# KiCad board NNCpro.kicad_pcb (continued)
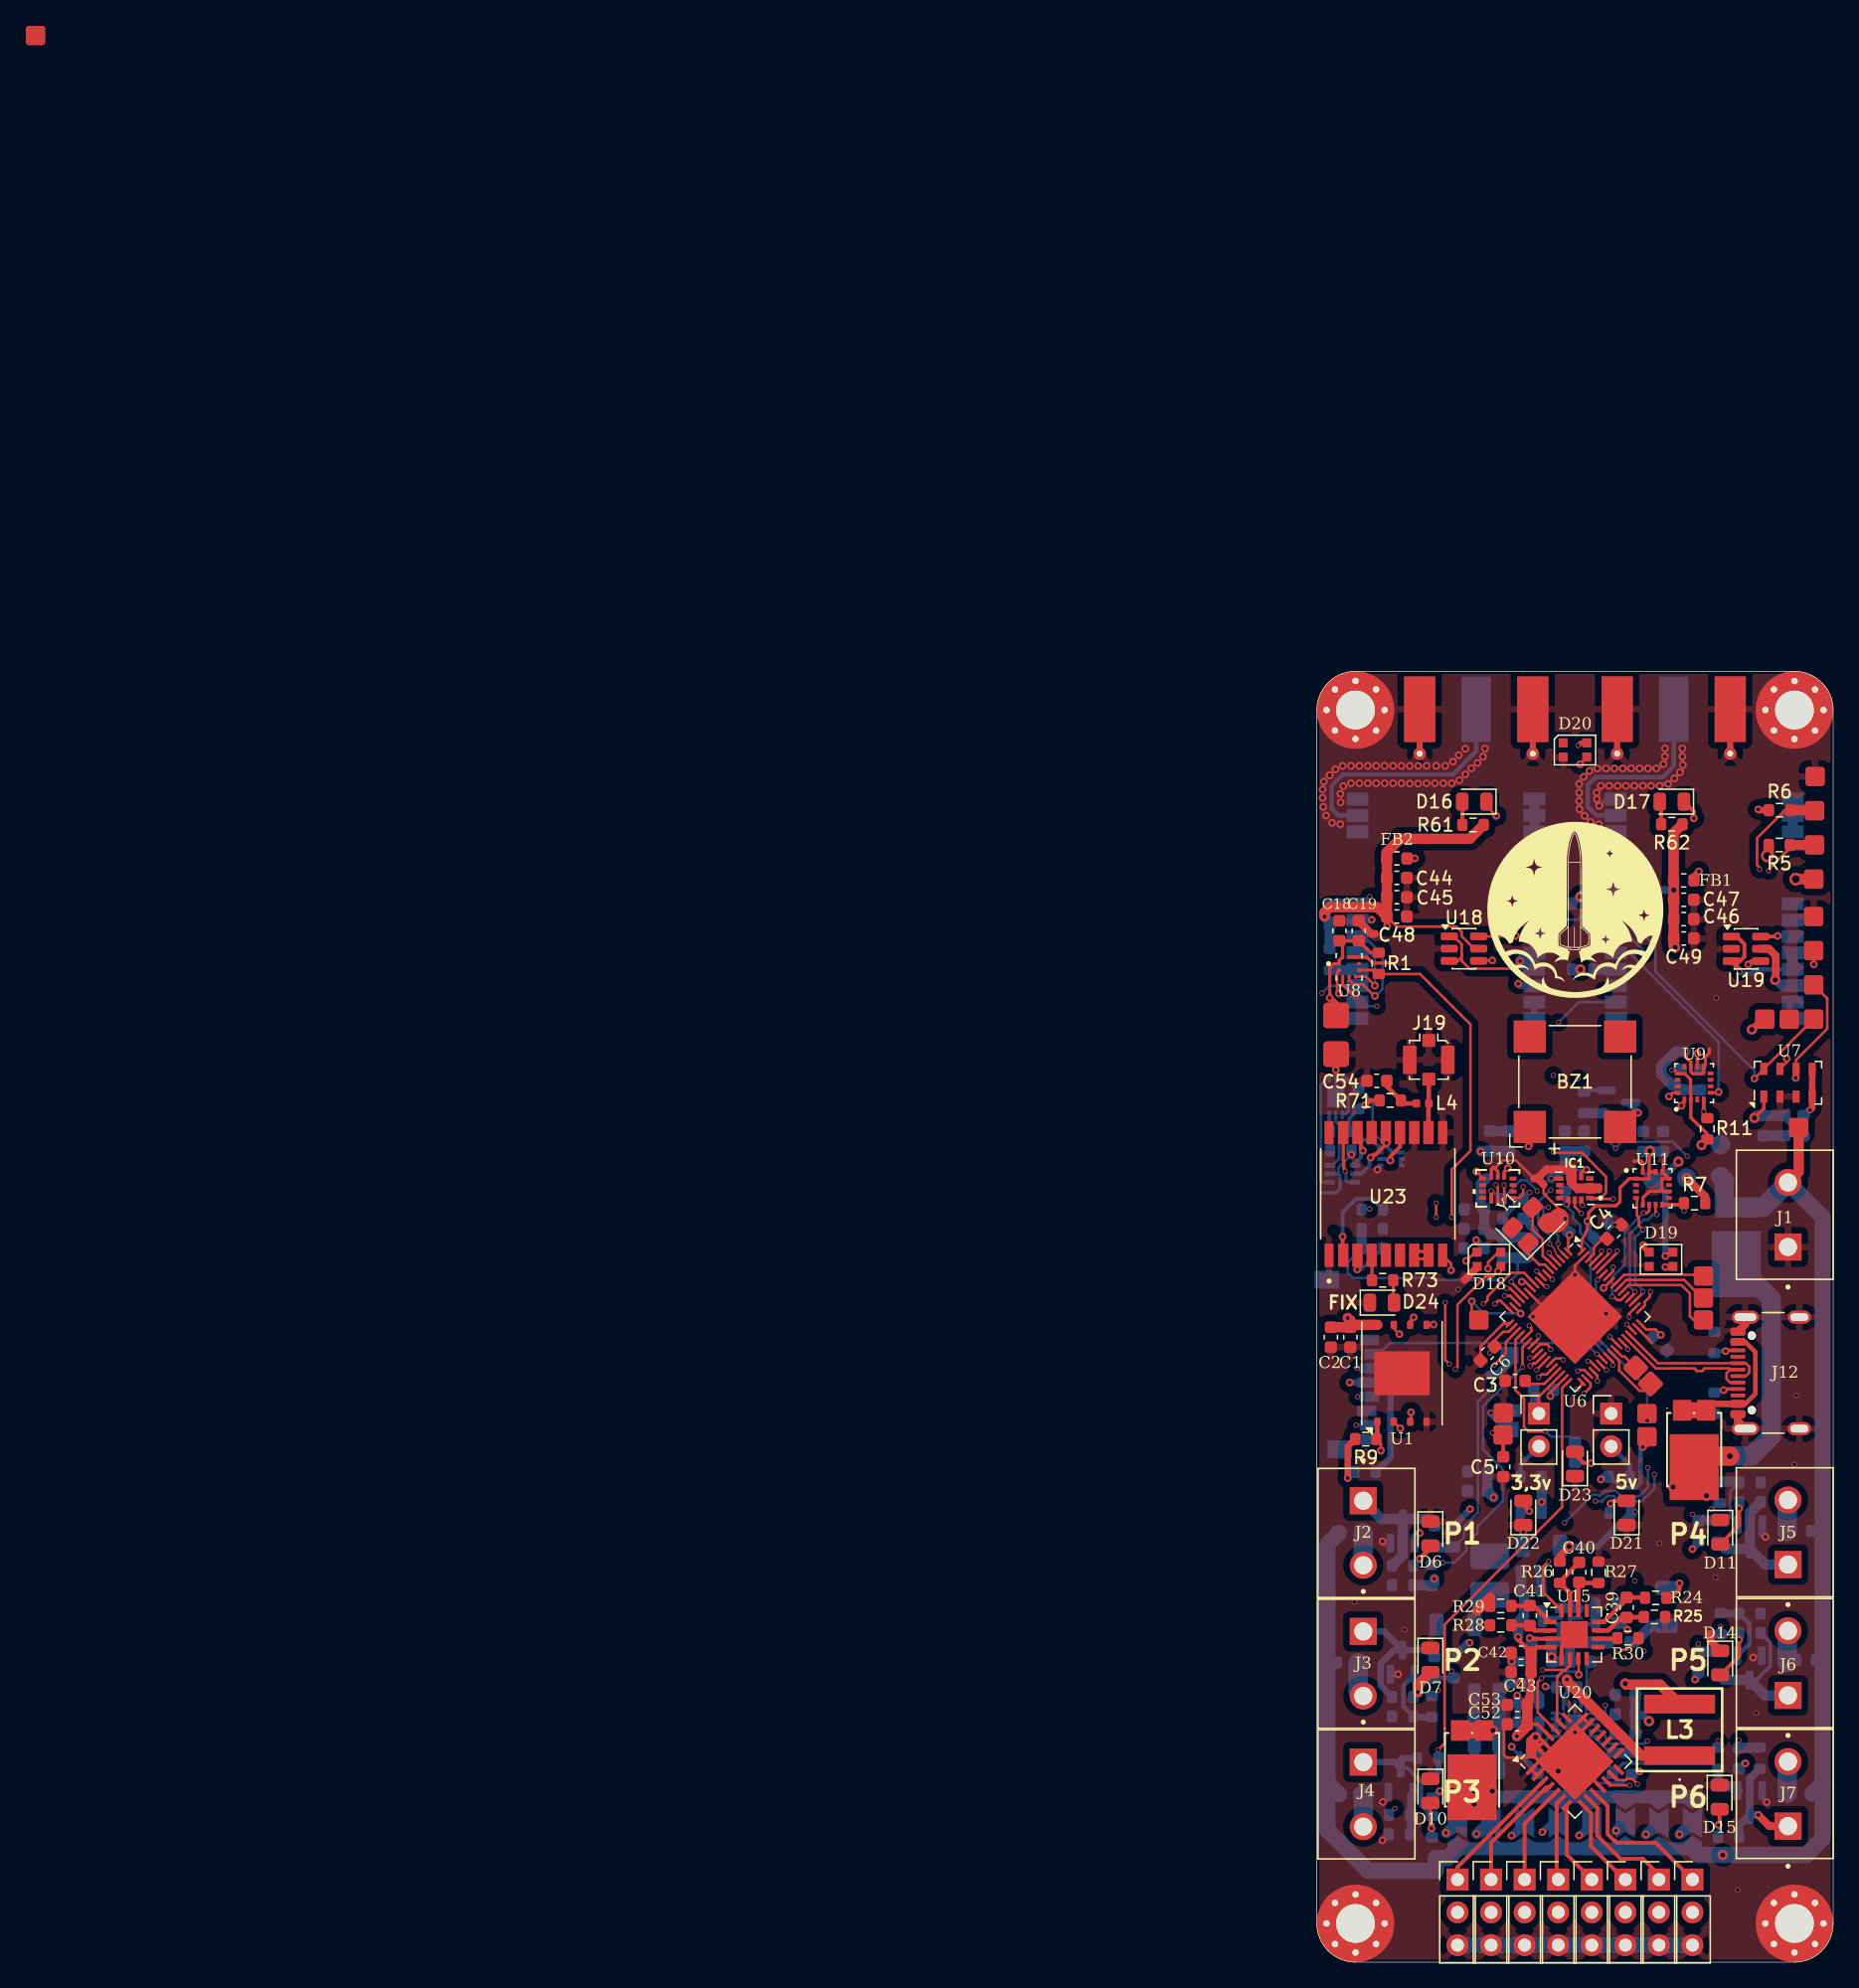
[diagram p0: board, top side]
## Routing (per net, layer and track width the routed paths; a pad name or vN(x,y) marks a point on that pad's centre or on a via; arc(x,y) is an arc through that point) (continued)
VBUS: length 11.1
  Top w0.35: J12.A4 33.19,43.25 33.97,44.03 33.97,47.26 33.18,48.05 J12.A9
  Top w0.5: J12.A4 30.66,43.25 D25.2
  Top w1.25: D25.1 D25.2
VCC_5v_BUCK: length 23.6
  In2.Cu w0.2: v1(25,14.78) 25,15.98 25.64,16.62 25.81,16.62 26.1,16.92 26.1,17.33 25.81,17.63 25.64,17.63 25,18.27 25,18.9 20.8,23.1 18.85,23.1 17.91,22.16 17.91,21.78 17.71,21.59 v1(17.71,21.36)
  Bottom w0.2: IC2.17 20.45,15.61 C30.1 21.77,13.88 23.69,13.88 24.39,14.57 R12.1 24.58,14.57 24.78,14.78 v1(25,14.78)
  Bottom w0.3: R13.2 17.95,21.3 17.89,21.36 v1(17.71,21.36)
VIN: length 55
  Top w0.3: R24.1 27.42,28.22 28.1,28.9 v1(28.1,29.35)
  Top w1.5: v5(32,39.2) 30.08,39.2 D25.3
  In2.Cu w0.5: v3(18.19,23.62) 18.47,23.62 23.75,28.9 27.65,28.9 v1(28.1,29.35) 28.1,35.2 27.6,35.7 v3(27.6,36.8) 28.6,35.8 29.85,35.8 v3(30.18,36.13)
  Bottom w0.3: v1(28.1,29.35) 27.65,28.9 27.15,28.9 R21.1 ; 18.78,26.17 18.78,25.38 C33.1
  Bottom w0.8: 19.58,24.8 R20.2 19.6,23.33 C31.1 19.62,23.3 C32.1 C33.1 19.58,24.8
  Bottom w1.5: v5(32,39.2) 33.67,39.2 35.19,40.73 35.19,51.38 D26.3
+BATT: length 150.7
  Top w0.8: J39.1 37.32,61.22 J1.2
  In2.Cu w0.5: 31.4,8.3 28.84,10.86 28.84,15.51 25.73,18.62 v3(25.73,18.67)
  Bottom w0.25: 31.26,58.35 31.26,58.54
  Bottom w0.35: IC2.5 18.55,18
  Bottom w0.5: v3(25.73,18.67) 25.2,19.2 C28.2
  Bottom w0.8: C26.2 C25.2
  Bottom w1: JP1.3 JP8.3
  Bottom w1.25: 39.17,13.84 38.39,13.05 ; 39.17,13.84 39.17,9.57 37.9,8.3 v3(31.45,8.3) 29.6,8.3 JP8.3 ; 39.17,13.84 39.17,57.73 J1.2 ; 0.83,13.9 0.83,10.22 3.97,7.08 9.18,7.08 9.22,7.12 9.22,8.07 10.17,8.07 JP1.3 ; 0.83,13.9 1.72,13 ; 0.83,13.9 0.83,32.36 1.71,33.25
  Bottom w1.5: TP4.1 31.57,60.56 D26.2 D26.1 34.57,58.47 J1.2
-IN: length 4.6
  Bottom w0.2: U21.2 1.47,65.13 1.73,64.87 1.73,62.26 1.2,61.73 U22.3
  Bottom w0.25: 0.95,61.72 0.78,61.72
ARGB: length 53
  Top w0.2: v2(24.84,13.8) 24.84,13.81 24.44,14.2 24.02,14.21 23.92,14.1 23.27,14.1 U20.13 ; D18.3 14.04,53.69 v1(14.04,53.52) 13.65,53.12 13.08,53.12 10.9,50.94 10.9,46.12 v2(10.74,45.95)
  In1.Cu w0.2: v2(24.84,13.8) 24.84,13.81 19.3,19.35 15.98,19.35 13.85,21.48 13.85,23.8 14.5,24.45 14.5,38.88 12.45,40.93 12.45,45.1 11.6,45.95 v2(10.74,45.95)
BUSY_1: length 22.6
  Top w0.2: 22.09,55.07 v2(22.06,55.1) 22.06,54.89 U6.65
  In1.Cu w0.2: v2(22.06,55.1) 22.06,75.09 v2(22.24,75.26)
  Bottom w0.2: U17.14 22.79,75.26 v2(22.24,75.26)
BUSY_2: length 54.4
  Top w0.2: U6.53 24.21,50.25 v2(24.21,49.97)
  In1.Cu w0.2: v2(20.22,68.45) 20.22,68.6 20.12,68.7 v2(18.33,68.7)
  In2.Cu w0.2: v2(24.21,49.97) 24.38,49.8 25.01,49.8 28.1,52.89 28.1,56.97 25.42,59.65 21.1,59.65 20.2,60.55 20.2,68.42 v2(20.22,68.45) ; v2(0.4,75.07) 1.59,76.25 4.75,76.25 7.18,73.82 7.18,73.58 11.16,69.6 17.25,69.6 18.15,68.7 v2(18.33,68.7)
  Bottom w0.2: v2(0.4,75.07) 0.98,75.64 U16.14
Buzz: length 73.1
  Top w0.2: v2(24.23,13.71) 22.75,13.7 U20.12
  In1.Cu w0.2: v2(24.23,13.71) 24.23,13.69 24.62,13.29 25.04,13.29 25.6,13.85 27.15,13.85 27.85,14.55 27.85,26.33 v2(24.63,29.55)
  In2.Cu w0.2: v2(28.7,62.43) 29.35,61.77 29.35,52.45 24.6,47.7 24.6,37.15 25.1,36.65 25.65,36.65 27.55,34.75 27.55,29.65 27.35,29.45 24.73,29.45 v2(24.63,29.55)
  Bottom w0.2: Q7.1 22.56,65.51 22.56,63.64 v2(23.15,63.05) 23.65,63.55 27.57,63.55 v2(28.7,62.43)
  Bottom w0.8: 20.7,65.78 22.3,65.78 Q7.1
CS_BMP390: length 35.7
  Top w0.2: v2(18,54.94) 18,54.83 U6.4 ; v2(10.45,57.7) 10.45,61.4 11.9,62.85 11.9,72.65 8,76.55 R1.1
  Top w0.25: U8.6 4.5,76.85 R1.1
  In1.Cu w0.2: v2(18,54.94) 18,54.97 15.17,57.8 10.6,57.8 10.5,57.7 v2(10.45,57.7)
CS_H3L: length 14.4
  Top w0.2: U6.49 24.02,49.37 v2(24.02,49.4) ; v2(28.45,58.2) 28.45,58.79 R7.1
  Top w0.3: R7.1 28.31,58.67 U11.8
  In2.Cu w0.2: v2(28.45,58.2) 28.5,58.15 28.5,52.73 25.17,49.4 v2(24.02,49.4)
CS_LoRa1: length 32
  Top w0.1: U6.2 18.7,55.26 v2(18.7,55.65)
  In2.Cu w0.2: v2(19.22,80.75) 19.22,60.1 17.94,58.82 v2(17.94,58.47)
  Bottom w0.2: R60.2 20.17,80.75 v2(19.22,80.75) ; v2(18.7,55.65) 18.7,56.28 17.56,57.42 17.56,58.44 17.59,58.47 v2(17.94,58.47)
  Bottom w0.8: R60.2 21.43,81.99 U17.19
CS_LoRa2: length 49
  Top w0.2: v2(22.95,53.85) 22.95,53.52 U6.61
  In1.Cu w0.2: v2(22.95,53.85) 23.77,54.67 23.77,55.31 23.48,55.6 22.76,55.6 22.75,55.59 22.61,55.59 22.46,55.74 22.46,74.78 22.74,75.06 22.74,75.47 22.01,76.2 16.05,76.2 15.85,76.4 10.25,76.4 v2(4.1,82.55)
  Bottom w0.2: U16.19 3.54,81.99 v2(4.1,82.55)
  Bottom w0.8: U16.19 3.14,82 R58.2
CS_LSM1: length 32.2
  Top w0.2: U6.52 25.41,50.88 25.41,51.16 25.8,51.55 25.8,51.9 v2(25.85,51.95) ; v2(9.25,57.7) v2(9.25,58.8)
  Top w0.3: 13.52,59.02 13.52,59.64 13.53,59.65 13.53,59.73 v2(13.5,59.75)
  In1.Cu w0.2: v2(9.25,58.8) 9.75,59.3 13.05,59.3 v2(13.5,59.75) ; v2(9.25,57.7) 9.45,57.7 9.95,57.2 11.35,57.2 11.45,57.3 14.93,57.3 17.79,54.44 20.41,54.44 21.21,53.64 22.45,53.64 22.75,53.35 24.56,53.35 25.85,52.06 v2(25.85,51.95)
  Bottom w0.2: v2(17.08,59.75) 17.08,59.76 16.27,60.57 15.78,60.57 14.35,59.13 R8.2
  Bottom w0.3: R8.2 14.21,59.11 13.57,59.75 v2(13.5,59.75)
CS_LSM2: length 16.5
  Top w0.2: v2(22.93,46.25) 22.93,46.51 U6.42
  Top w0.3: v2(19.34,58.7) 19.38,58.66 19.41,58.66 19.46,58.7 19.46,59.04
  Bottom w0.2: v2(19.34,58.7) 19.41,58.63 19.41,58.51 19.86,58.05 19.86,57.64 20.4,57.1 20.4,56.52 20.63,56.29 20.63,55.88 21.2,55.31 21.2,48.3 22.93,46.57 v2(22.93,46.25)
  Bottom w0.3: v2(19.34,58.7) 19.29,58.65 19.27,58.65 19.23,58.69 R3.1
CS_MAG: length 24.6
  Top w0.2: v2(24.08,47.47) 24.08,47.61 U6.46
  Top w0.3: R11.2 29.97,65.66 v2(29.97,65.9) U9.4
  In2.Cu w0.2: v2(29.97,65.9) 27.31,63.24 27.31,60.04 28.95,58.41 28.95,52.61 24.08,47.74 v2(24.08,47.47)
CS_MS5611: length 39.5
  Top w0.2: v2(22.7,48.45) 22.7,48.43 U6.45
  Top w0.5: v2(38.2,66) 38.38,66.17 U7.4 U7.5
  In1.Cu w0.2: v2(38.2,66) 38.2,64.1 38.7,63.6 38.7,53.96 35.05,50.31 35.05,48.38 32.38,45.71 30.9,45.71 30.22,45.03 26.37,45.03 25.65,45.75 25.1,45.75 22.7,48.15 v2(22.7,48.45)
  Bottom w0.5: v2(38.2,66) 38.09,66 R10.1
CS_SD: length 28.6
  Top w0.2: v2(21.68,47.11) 21.76,47.11 U6.41
  Bottom w0.2: J13.P2 4.81,47.11 5.67,47.97 20.83,47.97 v2(21.68,47.11)
  Bottom w0.5: R2.2 5.72,39.12 5.72,46.2 4.81,47.11
DIO1_1: length 24.9
  Top w0.1: U6.3 18.53,54.86 18.53,55 18.4,55.14 18.4,55.28 v2(18.04,55.64)
  In2.Cu w0.2: v2(18.13,59.81) 18.23,59.81 18.83,60.41 18.83,72.7 v2(18.72,72.8)
  Bottom w0.2: U17.13 20.3,74.37 v2(18.72,72.8) ; v2(18.04,55.64) 18.04,56.36 17.16,57.24 17.16,58.89 18.09,59.81 v2(18.13,59.81)
DIO1_2: length 40
  Top w0.2: U6.64 22.59,54.86 22.59,55.02 22.66,55.09 v2(22.66,55.09)
  In1.Cu w0.2: v2(22.66,55.09) 22.67,55.08 22.67,55 22.27,54.6 21.86,54.6 21.56,54.89 21.56,55.31 21.66,55.41 21.66,72.54 20.9,73.3 5.4,73.3 v2(4.65,74.05)
  Bottom w0.2: U16.13 3.47,74.05 v2(4.65,74.05)
GPS_IN: length 18.1
  Top w0.2: v2(14.72,52.2) 14.97,52.2 U6.14
  Bottom w0.2: v2(14.72,52.2) 14.07,52.85 9.15,52.85 9,53 2.8,53 2.4,53.4 2.4,54.22 R75.2
  Bottom w0.8: R76.1 R75.2
GPS_OUT: length 24.2
  Top w0.2: v2(23.27,55.1) 23.27,54.97 23.05,54.75 23.05,54.75 U6.63
  In1.Cu w0.2: v2(4.1,58.35) 4.25,58.2 15.35,58.2 17.4,56.15 18.91,56.15 19.33,55.73 20.47,55.73 21.1,55.1 21.1,54.79 21.69,54.2 22.6,54.2 23.27,54.87 v2(23.27,55.1)
  Bottom w0.2: R74.2 3.53,58.35 v2(4.1,58.35)
GPS_RST: length 7.6
  Top w0.2: v2(14.56,51.62) 14.99,51.62 U6.15 ; U23.9 10.4,54.11 v1(10.4,53.6)
  In1.Cu w0.2: 14.56,51.68 v2(14.56,51.62) 14.53,51.65 12.41,51.65 12.26,51.8 12.2,51.8 v1(10.4,53.6)
I2C_SCL: length 106.7
  Top w0.2: v2(35,84.55) 34.95,84.6 36.65,86.3 R5.1 ; U20.23 18.61,18.76 18.61,22.13 19.09,22.6 19.25,22.6 19.61,22.96 U15.6 19.61,23 19.25,22.64 v2(17.5,22.64) ; U6.29 18.46,46.76 18.99,46.76 v2(19.09,46.66)
  Top w0.8: J42.1 38.54,86.54 R5.1
  In1.Cu w0.2: v2(35,84.55) 35,82.5 39.5,78 39.5,53.63 35.85,49.98 35.85,48.05 32.71,44.91 31.23,44.91 26.25,39.93 26.25,37.89 v2(26.15,37.79)
  In2.Cu w0.2: 20.38,35.03 15.65,39.75 15.65,43.25 17.2,44.8 17.38,44.8 17.67,45.09 17.74,45.09 18.9,46.25 18.9,46.46 v2(19.09,46.66) ; 20.38,35.03 21.07,35.72 v2(21.58,35.72) ; 20.38,35.03 21.05,34.35 21.05,31.05 17.65,27.65 17.65,24.85 17.4,24.6 17.4,22.74 v2(17.5,22.64)
  Bottom w0.2: v2(26.15,37.79) 26.15,36.7 25.15,35.7 23.35,35.7 23.35,35.77 23,36.12 22.5,36.12 22.15,35.77 22.15,35.7 21.6,35.7 v2(21.58,35.72)
I2C_SDA: length 112.1
  Top w0.2: v1(20.3,22.28) 20.29,22.29 20.29,23.08 20.26,23.1 U15.7 ; v2(17.17,45.3) 17.4,45.53 17.79,45.53 U6.30 ; v2(34.3,84.65) 34.35,84.7 34.35,84.75 34.1,85 34.1,87.07 36.27,89.24 R6.2 ; v2(17.41,21.99) 17.11,21.7 17.11,19.35 U20.24
  Top w0.8: R6.2 38.51,89.24 J43.1
  In1.Cu w0.2: v2(25.65,38.3) 25.65,39.45 25.84,39.64 25.85,39.64 25.85,40.1 31.06,45.31 32.54,45.31 35.45,48.22 35.45,50.14 39.1,53.79 39.1,77.55 34.3,82.35 v2(34.3,84.65)
  In2.Cu w0.2: v2(17.41,21.99) 17,22.4 17,24.76 17.25,25.02 17.25,27.81 20.65,31.21 20.65,34.1 19.95,34.8 ; v2(19.2,34.05) 19.95,34.8 ; 19.95,34.8 15.25,39.5 15.25,43.53 17.02,45.3 v2(17.17,45.3)
  Bottom w0.2: v2(25.65,38.3) 25.65,38 25.65,37.99 25.65,36.77 24.98,36.1 23.58,36.1 23.16,36.52 22.34,36.52 21.92,36.1 21.91,36.1 21.79,36.22 21.37,36.22 v2(19.2,34.05) ; v1(20.3,22.28) 20.3,22.41 20.22,22.5 19.13,22.5 18.78,22.15 17.56,22.15 v2(17.41,21.99)
LED_1: length 12.1
  Top w0.2: v2(17.69,41.15) 17.64,41.11 16.39,41.11 16.05,41.45 16.05,43.65 15.39,44.31 15.39,48.22 U6.21
  Bottom w0.2: R67.2 19.62,40.7 18.14,40.7 v2(17.69,41.15)
NRST_LoRa1: length 1.7
  Bottom w0.8: R57.1 23.15,76.9 U17.15
NRST_LoRa2: length 2.2
  Bottom w0.8: U16.15 3.09,76.85 R56.1
OSPI_CLK: length 9
  Top w0.2: v1(7.5,49.95) 7.23,49.69 U1.6 ; U6.17 14.25,51.22 14.03,51.22 v2(13.8,51)
  In1.Cu w0.2: v2(13.8,51) 12.8,50 7.55,50 v1(7.5,49.95)
OSPI_IO0: length 10
  Top w0.2: v1(15.88,52.71) 16.16,52.71 U6.11 ; U1.5 9.02,49.37 v1(9.05,49.4)
  In1.Cu w0.2: v1(9.05,49.4) 13.05,49.4 15.88,52.23 v1(15.88,52.71)
OSPI_IO1: length 18.4
  Top w0.2: v2(16.51,46.81) 16.81,46.81 U6.26 ; v1(6.47,41.35) 5.97,41.85 U1.2
  In1.Cu w0.2: v1(6.47,41.35) 6.47,41.34 7.05,40.75 7.6,40.75 8.55,41.7 8.55,46.9 9.5,47.85 9.75,47.85 9.9,48 15.32,48 16.35,46.97 16.35,46.96 v2(16.51,46.81)
OSPI_IO2: length 21.4
  Top w0.2: U6.10 16.57,52.86 16.57,52.88 16.05,53.4 15.05,53.4 14.85,53.2 14.84,53.2 14.49,52.85 14.49,52.84 13.23,51.58 13.23,51.3 12.94,51.01 v2(12.91,51.01) ; U1.3 7.3,41.94 v1(7.3,42.6)
  In1.Cu w0.2: v1(7.3,42.6) 7.3,46.9 5.8,48.4 5.8,49.1 7.3,50.6 12.53,50.6 12.91,50.98 v2(12.91,51.01)
OSPI_IO3: length 13
  Top w0.2: U6.22 16.64,48.9 16.64,49.12 v2(16.45,49.3) ; U1.7 5.97,49.08 v1(6.4,48.65)
  In1.Cu w0.2: v1(6.4,48.65) 9.42,48.65 9.77,49 13.21,49 14.11,49.9 15.29,49.9 15.55,49.65 16.04,49.65 16.38,49.3 v2(16.45,49.3)
OSPI_NCS: length 29.8
  Top w0.2: v1(4.97,39.63) 4.97,40.17 R9.1 ; U6.60 22.23,52.23 v1(22.21,52.23)
  Top w0.35: R9.1 4.69,40.59 U1.1
  In1.Cu w0.2: v1(22.21,52.23) 20.78,52.23 17.6,49.05 16.91,49.05 16.66,48.8 16.25,48.8 16,49.05 15.8,49.25 15.38,49.25 15.13,49.5 14.28,49.5 13.38,48.6 9.94,48.6 9.59,48.25 8.8,48.25 7.95,47.4 7.95,42.35 7.6,42 6.27,42 4.97,40.7 v1(4.97,39.63)
P_DET_1: length 21.5
  Top w0.2: v2(17.17,48.51) 17.17,48.3 U6.24
  In2.Cu w0.2: v2(13.74,44.7) 13.74,44.84 17.17,48.27 v2(17.17,48.51)
  Bottom w0.2: v2(13.74,44.7) 13.65,44.6 13.65,44.6 12.47,43.42 12.47,34.83 11.42,33.78 11.42,32.94 D4.2
  Bottom w0.8: R33.2 10.61,32.12 D4.2
P_DET_2: length 30.4
  Top w0.2: v2(16.53,46.19) 16.6,46.19 16.81,46.41 16.97,46.41 U6.27
  In2.Cu w0.2: v2(16.53,46.19) 16.53,45.99 16.03,45.5 14.97,45.5 14.24,44.78 14.24,44.49 13.95,44.2 13.6,44.2 10.65,41.24 10.65,24.68 10.45,24.48 v2(10.45,22.55)
  Bottom w0.2: D5.2 10.45,22.16 v2(10.45,22.55)
  Bottom w0.35: R35.2 9.14,22.01 D5.2
P_DET_3: length 35.1
  Top w0.2: v2(9.4,16.45) 9.9,16.95 9.9,26.15 19,35.25 19,44.47 U6.34
  Bottom w0.2: v2(9.4,16.45) 9.42,16.43 R41.2
  Bottom w0.5: 8.92,14.29 9.42,14.79 R41.2
P_DET_4: length 19.1
  Top w0.2: v2(21,46.55) 21.19,46.55 U6.39
  In1.Cu w0.2: v2(29.1,34.7) 27.61,34.7 24.05,38.26 24.05,43.5 v2(21,46.55)
  Bottom w0.2: D9.2 29.57,34.22 v2(29.1,34.7)
  Bottom w0.8: 31.07,34.22 29.61,34.22 D9.2
P_DET_5: length 30
  Top w0.2: v2(20.21,45.79) 20.3,45.88 20.73,45.88 U6.37
  In1.Cu w0.2: v2(29.55,24.65) 29.1,25.1 29.1,26.92 19.2,36.82 19.2,41.43 21.2,43.43 21.2,45.06 20.46,45.79 v2(20.21,45.79)
  Bottom w0.2: v2(29.55,24.65) D12.2
  Bottom w0.8: D12.2 29.59,24.05 R49.2
P_DET_6: length 38.6
  Top w0.2: v2(20.2,44.4) 20.52,44.72 U6.35
  In1.Cu w0.2: v2(32.7,17.2) 32.15,16.65 30.85,16.65 28.3,19.2 28.3,26.58 18.4,36.48 18.4,42 20.2,43.8 v2(20.2,44.4)
  Bottom w0.2: D13.2 v2(32.7,17.2)
  Bottom w0.8: R51.2 32.74,16.62 D13.2
PA2: length 6.6
  Top w0.2: v1(12.01,51.2) 12.01,50.29 J31.1 ; v1(15.79,50.25) 15.79,50.25 U6.16
  Bottom w0.2: v1(15.79,50.25) 12.96,50.25 v1(12.01,51.2)
PA8: length 2.4
  Top w0.2: 24.35,46.22 24.35,46 ; U6.44 23.65,46.92 23.83,46.92 J36.1
PB3: length 8.7
  Top w0.2: J32.1 29.2,49.75 28.9,50.05 28.9,51.8 28.25,52.45 24.15,52.45 U6.57
PB4: length 7.4
  Top w0.2: J34.1 29.85,51.45 28.45,52.85 23.98,52.85 U6.58
PB5: length 7.2
  Top w0.2: J35.1 29.85,53.25 23.82,53.25 U6.59
PC9: length 4.9
  Top w0.2: U6.43 23.43,46.57 23.43,45.84 25,44.27 25.32,44.27 J37.1
PYRO_1: length 22.6
  Top w0.2: v2(15.93,46.11) 15.93,47.63 U6.23
  Bottom w0.2: R31.1 9.58,30.78 v2(9.75,30.95) 10.65,30.95 11.6,31.9 11.6,32.4 12.45,33.25 12.45,33.76 14.4,35.71 14.4,38.2 12.88,39.72 12.88,43.05 v2(15.93,46.11)
PYRO_2: length 35.6
  Top w0.2: U6.25 17.29,47.86 17.82,47.86 18.12,47.56 v2(18.12,47.47)
  In2.Cu w0.2: v2(18.12,47.47) 18.12,48.33 17.44,49.01 16.97,49.01 16.59,48.64 16.59,48.26 13.24,44.91 13.24,44.41 10.25,41.41 10.25,24.85 9.95,24.55 9.95,21.6 v2(9.4,21.05)
  Bottom w0.2: R32.1 8.97,20.62 v2(9.4,21.05)
PYRO_3: length 41
  Top w0.2: v2(17.04,45.88) 17.04,45.91 U6.28
  In2.Cu w0.2: v2(17.04,45.88) 16.25,45.1 15.42,45.1 14.11,43.79 13.76,43.79 11.05,41.08 11.05,21.95 9.7,20.6 9.65,20.6 6.05,17 v2(6.05,11.9)
  Bottom w0.2: v2(6.05,11.9) 5.58,11.43 R39.1
PYRO_4: length 17.3
  Top w0.2: U6.40 22.42,45.88 v2(22.45,45.88)
  In1.Cu w0.2: v2(30.59,35.11) 30.5,35.2 27.68,35.2 24.45,38.43 24.45,43.67 22.45,45.66 v2(22.45,45.88)
  Bottom w0.2: v2(30.59,35.11) 31.06,35.58 R40.1
PYRO_5: length 26.6
  Top w0.2: v2(21.73,45.02) 21.73,45.44 U6.38
  In1.Cu w0.2: v2(31.3,26) 30.58,26 19.77,36.82 19.77,41.43 21.65,43.32 21.65,44.94 v2(21.73,45.02)
  Bottom w0.2: v2(31.3,26) R47.1
PYRO_6: length 34.9
  Top w0.2: U6.36 21.2,44.84 21.2,44.55 v2(20.7,44.05)
  In1.Cu w0.2: v2(31.1,17.15) 28.7,19.55 28.7,26.75 18.8,36.65 18.8,41.6 20.7,43.5 v2(20.7,44.05)
  Bottom w0.2: R48.1 v2(31.1,17.15)
SepDet1: length 19.7
  Top w0.2: U6.8 v2(17.04,53.52)
  In2.Cu w0.2: J8.2 19.6,42.36 19.6,43.73 19.3,44.03 19.3,44.77 19.6,45.07 19.6,45.13 19.31,45.42 19.31,46.17 19.6,46.45 19.6,49.83 17.04,52.39 v2(17.04,53.52)
  Bottom w0.35: 15.78,37.6 15.78,38.53 J8.2
SepDet2: length 19
  Top w0.2: U6.9 17.67,52.33 17.8,52.33 v2(17.81,52.33)
  In2.Cu w0.2: 22.8,40.25 J9.2 20,42.76 20,43.9 19.99,43.9 19.7,44.19 19.7,44.61 19.99,44.9 20,44.9 20,45.3 19.71,45.59 19.71,46 20,46.29 20,50 17.79,52.21 17.79,52.31 v2(17.81,52.33)
  Bottom w0.35: R59.2 24.25,38.51 J9.2
Serv_1: length 10.3
  Top w0.3: J14.1 10.9,7.37 U20.3
Serv_2: length 9.1
  Top w0.3: J15.1 13.5,9.26 17.78,13.54 U20.4
Serv_3: length 7.7
  Top w0.3: U20.5 16.1,10.73 J16.1
Serv_4: length 6.4
  Top w0.3: J17.1 18.58,6.52 18.58,12.29 U20.6
Serv_5: length 6.6
  Top w0.3: U20.7 19.37,8.33 J18.1
Serv_6: length 7.3
  Top w0.3: 23.9,6.55 J20.1 23.83,6.4 21.23,9 21.23,11.55 U20.8
Serv_7: length 9.5
  Top w0.3: U20.9 21.73,11.97 21.73,9.8 23.52,8.01 25.26,8.01 26.5,6.77 J21.1 26.47,6.4
Serv_8: length 11.6
  Top w0.3: J22.1 26.25,9.25 23.27,9.25 23.11,9.41 23.04,9.41 22.53,9.92 22.53,12.09 U20.10
SPI_CLK: length 119.4
  Top w0.2: v1(28.25,66.35) 28.47,66.58 U9.1 ; U11.4 24.8,59.12 24.8,57.84 24.95,57.69 24.95,57.05 v2(25.26,56.74) ; U8.2 1.58,76.69 1.58,75.19 v1(1.72,75.04) ; U10.13 14.02,60.08 v2(13.89,60.21) ; U6.54 24.84,51.45 24.86,51.45 25.25,51.84 v2(25.25,51.95) ; v1(33.9,68.45) 34.4,68.95 34.4,68.97 U7.8 34.63,69.2 J29.1 ; IC1.13 19.98,58.52 v2(20.5,58.01)
  In1.Cu w0.2: v1(33.9,68.45) 30.35,68.45 v1(28.25,66.35) 26.9,65 26.9,62.12 25.85,61.07 25.85,57.33 v2(25.26,56.74) ; v2(20.5,58.01) 19.59,57.1 17.02,57.1 14.47,59.65 14.36,59.65 13.89,60.11 v2(13.89,60.21) 13.7,60.4 13.7,63.73 3.86,73.56 3.2,73.56 v1(1.72,75.04) 1.72,78.22 v1(4.25,80.75)
  In2.Cu w0.2: v2(20.5,58.01) 23.99,58.01 v2(25.26,56.74) ; v2(13.89,60.21) 14.02,60.08 14.02,59.03 2.65,47.67 2.65,45.7 3.15,45.2 v2(3.15,43.8)
  Bottom w0.2: U16.18 4.22,80.72 v1(4.25,80.75) ; U17.18 24.22,80.72 26.23,78.71 26.23,76.73 33.9,69.06 v1(33.9,68.45) ; v2(3.15,43.8) 3.16,43.81 J13.P5 ; v2(25.25,51.95) 25.25,52.06 24.65,52.66 24.65,56.13 v2(25.26,56.74)
SPI_MISO: length 123.7
  Top w0.2: U10.1 15.69,59.2 15.99,59.5 v2(15.99,60.07) ; U9.5 31.07,67.35 v1(31.13,67.41) ; v2(24.65,51.95) 24.57,51.86 24.57,51.74 U6.55 ; U11.7 26.24,58.67 26.24,58.01 v2(26.35,57.91) ; v1(37.1,68.5) 37.1,69.17 U7.6 37.12,69.9 39.54,72.31 39.54,74.66 J28.1 ; v1(4.5,75.65) 3.81,76.34 U8.5 ; v2(22.96,59.12) 21.22,59.12 IC1.1 22,59.2 22.39,59.59 22.39,60.86 20.55,62.7 18.33,62.7 v2(18.33,62.75)
  In1.Cu w0.2: v1(37.1,68.5) 36.01,67.41 v1(31.13,67.41) 30.21,67.41 27.3,64.5 27.3,61.95 26.35,61 v2(26.35,57.91)
  In2.Cu w0.2: v2(3.05,41.6) 1.95,42.7 1.95,47.53 13,58.59 13,60.05 13.66,60.71 15.34,60.71 v2(15.99,60.07) ; v2(15.99,60.07) 15.8,60.25 15.8,64.4 4.55,75.65 v1(4.5,75.65) ; v2(15.99,60.07) 18.2,62.28 18.2,62.62 v2(18.33,62.75) ; v2(26.35,57.91) 26.35,58.02 25.24,59.12 v2(22.96,59.12)
  Bottom w0.2: v2(24.65,51.95) 24.6,51.95 24.25,52.3 24.25,56.43 25.33,57.52 25.64,57.52 26.03,57.91 v2(26.35,57.91) ; v1(31.13,67.41) 31.13,71.27 24.22,78.18 U17.16 ; v1(4.5,75.65) 4.5,77.8 4.12,78.18 U16.16 ; v2(3.05,41.6) 3.06,41.61 J13.P7
SPI_MOSI: length 117.3
  Top w0.2: v1(36.4,70) 36.4,69.72 U7.7 ; v1(27.28,67.06) 27.57,67.35 U9.16 ; J27.1 38.49,77.31 v1(38.5,77.3) ; U10.14 14.52,60.19 v2(14.5,60.2) ; IC1.14 20.48,58.8 20.58,58.71 v2(20.58,58.63) ; v1(4.5,74.85) 4.3,75.05 4.25,75.05 3.55,75.75 2.85,75.75 2.5,76.1 U8.4 ; v2(22.89,51.55) 23.01,51.55 23.27,51.29 23.56,51.29 U6.56 ; U11.6 25.75,58.2 25.6,58.05 v2(25.3,58.05)
  In1.Cu w0.2: v2(25.3,58.05) 25.3,61.08 26.5,62.28 26.5,66.28 v1(27.28,67.06) ; v2(25.45,78.1) 25.45,68.89 v1(27.28,67.06) ; v2(20.58,58.63) 20.57,58.62 20.41,58.62 19.98,58.2 19.14,58.2 18.79,57.85 16.86,57.85 v2(14.5,60.2) 14.5,60.95 14.1,61.35 14.1,63.89 4.15,73.84 4.15,74.5 v1(4.5,74.85) ; v1(27.28,67.06) 28.21,67.06 30.1,68.95 33,68.95 33.1,69.05 35.45,69.05 v1(36.4,70) 38.5,72.1 v1(38.5,77.3)
  In2.Cu w0.2: v2(25.3,58.05) 24.72,58.62 20.58,58.62 v2(20.58,58.63) ; v2(3.15,46) 3.15,47.6 14.42,58.87 14.42,59.22 14.5,59.3 v2(14.5,60.2)
  Bottom w0.2: U16.17 3.68,79.45 5.1,78.03 5.1,75.4 4.55,74.85 v1(4.5,74.85) ; v2(25.45,78.1) 25.45,78.22 24.22,79.45 U17.17 ; v2(22.89,51.55) 22.89,53.07 23.85,54.04 23.85,56.6 v2(25.3,58.05) ; v2(3.15,46) 3.16,46 J13.P3
USB_DN: length 12.4
  Top w0.2: J12.B7 32.01,44.9 31.75,45.17 31.75,45.63 32.01,45.9 J12.A7 32.57,45.95 31.96,45.95 31.91,46 30.05,46 arc(29.98,45.97) 29.95,45.9 arc(29.92,45.83) 29.85,45.8 29.45,45.8 arc(29.38,45.83) 29.35,45.9 arc(29.32,45.97) 29.25,46 26.26,46 U6.47
USB_DP: length 11.8
  Top w0.2: U6.48 26.43,46.4 J12.B6 33.23,46.4 33.5,46.13 33.5,45.67 33.23,45.4 J12.A6
V_RF: length 16.5
  Top w0.3: v1(4.17,62.33) 4.4,62.55 4.54,62.55 5.35,63.36 U23.14 5.49,64.13 5.49,63.55 v1(5.4,63.47)
  Bottom w0.2: 3.23,67.72 4.33,66.63 4.33,64.3 5.16,63.47 v1(5.4,63.47) ; 3.12,67.72 2.45,67.05 2.45,65.92 2.15,65.63 1.94,65.63
  Bottom w0.3: 2.77,61.08 3.45,61.08 4.08,61.7 4.08,62.24 v1(4.17,62.33) ; v1(5.4,63.47) 5.4,63.21 5.88,62.72 6.48,62.72 ; 3.03,67.72 2.3,68.45 U21.6
Net-(BZ1--): length 2.9
  Top w0.5: v1(24.9,65.8) 24.6,65.8 BZ1.2
  Bottom w0.5: Q7.3 24.3,66.4 v1(24.9,65.8)
Net-(C3-Pad1): length 3
  Top w0.2: U6.31 17.63,44.8 16.37,44.8 C3.1
Net-(C4-Pad1): length 2.3
  Top w0.2: U6.66 21.45,54.84 21.45,55.35 22.14,56.04 C4.1
Net-(C35-Pad2): length 26.4
  Top w0.8: L3.2 26.6,21.5 23.97,21.5 v3(23.89,21.58)
  Top w1.25: D27.2 D27.1
  In1.Cu w0.8: v3(23.89,21.58) 21.34,21.58 19.81,20.05 17.75,20.05 16.36,21.44 16.02,21.44 15.9,21.56 15.78,21.56 v3(15.77,21.57)
  Bottom w0.8: C37.2 C35.2 14.8,21.6 16.2,21.6 17.22,20.57 17.22,20.1
  vias: v3(13.65,17.95)
Net-(C54-Pad2): length 3.3
  Top w0.35: L4.1 6.75,66.53 R71.2 5.42,67.85 5.42,68.28
Net-(D6-A): length 2.1
  Top w0.35: v1(7.98,31.27) 8.8,32.08 D6.2
  Bottom w0.35: R37.1 7.98,31.21 v1(7.98,31.27)
Net-(D7-A): length 2.5
  Top w0.8: v1(7.83,20.93) 7.83,21.49 D7.2
  Bottom w0.8: R38.1 7.47,20.57 v1(7.83,20.93)
Net-(D10-A): length 2.7
  Top w0.25: v1(8.88,10.37) 8.8,10.45 D10.2
  Bottom w0.25: v1(8.88,10.37) 8.88,9.72 R45.1
Net-(D11-A): length 3.9
  Top w0.3: v1(32.71,35.14) 32.71,33.83 D11.2
  Bottom w0.3: 32.72,35.65 32.71,35.63 v1(32.71,35.14)
Net-(D14-A): length 3.9
  Top w0.3: v1(32.71,24.97) 32.71,23.7 D14.2
  Bottom w0.3: 32.72,25.5 32.71,25.48 v1(32.71,24.97)
Net-(D15-A): length 2.2
  Top w0.3: D15.2 31.2,10.71 v1(31.12,10.63)
  Bottom w0.3: R54.1 31.12,9.75 v1(31.12,10.63)
Net-(D16-A): length 1.8
  Top w0.3: D16.2 11.28,89.89 11.28,88.1
Net-(D16-K): length 13.8
  Top w0.2: U18.4 12.58,77.6 v1(13.6,77.6) ; v1(13.9,88.8) 13.14,89.56 D16.1
  In1.Cu w0.2: v1(13.6,77.6) 13.9,77.9 v1(13.9,88.8)
Net-(D17-A): length 1.8
  Top w0.3: D17.2 26.67,89.79 R62.2
Net-(D17-K): length 16.7
  Top w0.3: D17.1 29.2,89.14 v1(29.2,88.61) ; v1(33.43,77.28) 33.69,77.55 U19.4
  In1.Cu w0.3: v1(29.2,88.61) 28.9,88.31 28.9,80.6 32.22,77.28 v1(33.43,77.28)
Net-(D18-DOUT): length 19.5
  Top w0.2: v1(27,53.85) 27.55,53.85 27.58,53.88 D19.3 ; v1(11.58,54.33) 12.25,55 D18.1
  In2.Cu w0.2: v1(11.58,54.33) 14.2,56.95 19.85,56.95 20.36,56.44 20.36,56.43 20.71,56.08 20.72,56.08 20.8,56 24,56 26.15,53.85 v1(27,53.85)
Net-(D19-DOUT): length 43.4
  Top w0.2: D20.3 20.4,92.84 v1(20.4,92.8) ; v1(25.3,55.55) 25.3,55.25 25.55,55 D19.1
  In2.Cu w0.2: v1(20.4,92.8) 19.72,92.12 19.72,59.04 19.94,58.83 19.94,58.01 20,57.95 20,57.5 21.1,56.4 24.17,56.4 25.02,55.55 v1(25.3,55.55)
Net-(D21-A): length 2.1
  Top w0.3: D21.2 22.97,35.74 v1(22.75,35.52)
  Bottom w0.3: R65.1 22.75,34.88 v1(22.75,35.52)
Net-(D22-A): length 1.7
  Top w0.3: D22.2 16,35.4 v1(16.46,34.94)
  Bottom w0.3: v1(16.46,34.94) 15.92,34.94 15.78,34.8
Net-(D23-A): length 3
  Top w0.3: D23.2 20,39.35 20.7,38.65 v1(21.25,38.65)
  Bottom w0.3: R67.1 20,38.68 21.22,38.68 v1(21.25,38.65)
Net-(D24-A): length 1.8
  Top w0.25: R73.1 5.92,51.15 D24.2
Net-(IC2-BST): length 2.2
  Bottom w0.25: C34.2 17.1,16.54 18.06,17.5 IC2.1
Net-(IC2-FB): length 23.6
  In2.Cu w0.2: v1(15.53,20.66) 15.38,20.8 15.2,20.8 14.5,20.1 14.5,16.45 14.85,16.09 24.54,16.09 25.58,17.13 v2(25.6,17.13)
  Bottom w0.2: v1(15.53,20.66) 15.6,20.58 15.6,20.12 R15.1 ; IC2.14 21.94,17.95 21.95,17.94 21.97,17.94 22.19,17.72 22.19,17.7 22.38,17.51 22.38,17.23 22.68,16.93 25.4,16.93 v2(25.6,17.13)
  Bottom w0.5: R15.1 R16.2
Net-(IC2-MODE): length 3.5
  Bottom w0.25: IC2.15 22.72,16.22 R14.2
  Bottom w0.8: R12.2 R14.2
Net-(IC2-PGOOD): length 1.6
  Bottom w0.2: IC2.9 20.45,21.05 R13.1
Net-(IC2-SW_1): length 30.9
  Top w0.8: L3.1 25.13,16 19.37,21.75 v1(19.38,21.9)
  In2.Cu w0.25: v1(19.38,21.9) 19.37,18.17 17.89,16.69 v1(15.1,16.69)
  Bottom w0.25: v1(19.38,21.9) 19.37,20.9 19.1,20.63 IC2.6 ; v1(15.1,16.69) 15.1,16.62 C34.1 ; IC2.19 IC2.20 18.97,16.95 17.91,15.9 17.91,15.7 17.77,15.56 17.77,15.29 C34.1 ; C34.1 17.1,14.88 15.79,16.19 15.6,16.19
Net-(J2-Pin_1): length 10.3
  Bottom w0.8: Q1.3 6.65,31.53 R37.2 ; Q1.3 5.01,34.34 J2.1 ; Q1.3 8.57,34.34 R33.1
Net-(J2-Pin_2): length 2.5
  Bottom w1.5: J2.2 3.59,30.76 3.59,33.25
Net-(J3-Pin_1): length 11.4
  Bottom w0.5: J3.1 5.2,25.62 Q2.3 ; Q2.3 8.55,24.17 R35.1 ; Q2.3 5.98,24.17 4.95,23.14 4.95,21.43 R38.2
Net-(J3-Pin_2): length 2.7
  Bottom w1.5: F1.2 3.2,21.02 J3.2
Net-(J4-Pin_1): length 10.1
  Bottom w0.3: R45.2 8.1,12.15 8.1,13.96 7.02,15.04 Q3.3
  Bottom w0.5: 7.78,15.8 6.62,15.8 6.5,15.68 Q3.3 6.04,15.5 J4.1
Net-(J4-Pin_2): length 2.5
  Bottom w1.5: 3.6,13 J4.2
Net-(J5-Pin_1): length 10.1
  Bottom w0.8: R46.2 33.55,34.83 Q4.3 ; Q4.3 31.64,32.01 R43.1 ; Q4.3 34.76,30.8 J5.1
Net-(J5-Pin_2): length 2.5
  Bottom w1.5: J5.2 36.44,35.74 36.44,33.35
Net-(J6-Pin_1): length 11.1
  Bottom w0.3: R53.2 35.12,24.75 35.12,22.94 34.05,21.86 Q5.3
  Bottom w0.8: R49.1 31.59,21.86 Q5.3 34.72,20.67 J6.1
Net-(J6-Pin_2): length 2.5
  Bottom w1.5: 36.44,23.2 36.44,25.6 J6.2
Net-(J7-Pin_1): length 9.2
  Top w0.6: v1(34.2,11.4) 35.06,10.54 J7.1
  Bottom w0.6: Q6.3 33.55,14.22 R51.1 ; Q6.3 33.57,11.4 v1(34.2,11.4) ; Q6.3 32.72,10.6 R54.2
Net-(J7-Pin_2): length 2.5
  Bottom w1.5: 36.44,13.05 36.44,15.47 J7.2
Net-(J10-In): length 15.8
  Bottom w0.35: U17.21 21.67,88.83 21,89.5 21,91.2 21.6,91.8 26.8,91.8 27.64,92.65 J10.1
Net-(J11-In): length 19.6
  Bottom w0.35: J11.1 12.35,93.81 10.54,92 2,92 1.15,91.15 1.15,89.35 1.67,88.83 U16.21
Net-(J12-CC1): length 1.9
  Top w0.25: J12.A5 31.6,44.4 v1(31.51,44.31)
  Bottom w0.25: v1(31.51,44.31) 30.99,44.31 R63.1
Net-(J12-CC2): length 1.9
  Top w0.25: J12.B5 31.72,47.4 v1(31.66,47.34)
  Bottom w0.25: R64.2 30.97,47.34 v1(31.66,47.34)
Net-(J14-Pin_2): length 8.1
  In2.Cu w0.5: v1(10.01,10.02) 9.6,9.61 9.6,5.16 J14.2
  Bottom w0.8: v1(10.01,10.02) 10.79,10.8 JP1.2
Net-(J15-Pin_2): length 8.2
  In2.Cu w0.5: v1(12.37,9.94) 12.2,9.77 12.2,5.16 J15.2
  Bottom w0.8: v1(12.37,9.94) 13.23,10.8 JP2.2
Net-(J16-Pin_2): length 8
  In2.Cu w0.5: v1(15.08,9.8) 15.08,9.78 14.79,9.49 14.79,7.7 14.8,7.7 14.8,5.16 J16.2
  Bottom w0.5: v1(15.08,9.8) 16.08,10.8 JP3.2
Net-(J17-Pin_2): length 8.3
  In2.Cu w0.5: J17.2 17.4,5.16 17.4,10.01 v1(17.47,10.08)
  Bottom w0.5: JP4.2 18.19,10.8 v1(17.47,10.08)
Net-(J18-Pin_2): length 8
  In2.Cu w0.5: v1(20.32,9.82) 20,9.5 20,5.16 J18.2
  Bottom w0.5: JP5.2 v1(20.32,9.82)
Net-(J19-In): length 4.2
  Top w0.35: J19.1 8.67,66.53 L4.2 8.65,66.49 U23.11
Net-(J20-Pin_2): length 8.1
  In2.Cu w0.5: v1(23.18,10.19) 22.6,9.61 22.6,5.16 J20.2
  Bottom w0.8: v1(23.18,10.19) 23.79,10.8 JP6.2
Net-(J21-Pin_2): length 8.1
  In2.Cu w0.5: J21.2 25.2,5.16 25.2,9.61 v1(25.49,9.9)
  Bottom w0.8: v1(25.49,9.9) 26.39,10.8 JP7.2
Net-(J22-Pin_2): length 8.1
  In2.Cu w0.5: v1(28.09,9.9) 27.8,9.61 27.8,5.16 J22.2
  Bottom w0.8: v1(28.09,9.9) 28.99,10.8 JP8.2
Net-(Q1-G): length 7.1
  In2.Cu w0.5: v1(9.1,29.7) 9.1,32.12 v1(7.98,33.24)
  Bottom w0.5: v1(7.98,33.24) 7.6,32.87 Q1.1
  Bottom w0.8: 8.83,29.2 8.97,29.2 9.1,29.33 v1(9.1,29.7) ; 8.83,29.2 R31.2 ; 8.83,29.2 R34.1
Net-(Q2-G): length 5.4
  Bottom w0.35: Q2.1 6.7,21.4 6.7,19.82 R36.1
  Bottom w0.5: R32.2 7.55,18.97 R36.1
Net-(Q3-G): length 3.4
  Bottom w0.5: 7.22,9.9 7.22,12.94 Q3.1
Net-(Q4-G): length 5.3
  Bottom w0.2: 32.72,37.15 32.02,36.44 32.02,34.47 Q4.1
  Bottom w0.8: 31.3,37.22 32.65,37.22 32.72,37.15
Net-(Q5-G): length 5.4
  Bottom w0.35: 32.72,27 33.5,26.22 33.5,24.66 Q5.1
  Bottom w0.6: 32.72,27 31.35,27 R47.2
Net-(Q6-G): length 3
  Bottom w0.8: Q6.1 32.28,13.62 R52.1 R48.2
Net-(Q8-D1): length 0.5
  Bottom w0.3: 6.48,62.22 6.48,61.72
Net-(Q8-D2): length 7.3
  Top w0.35: v1(3.73,66.37) 4.12,66.76 R71.1
  Bottom w0.3: 4.81,62.72 4.81,63.17 4.32,63.67 3.23,63.67 2.53,64.38 2.53,65.36 3.03,65.86 3.03,66.08
  Bottom w0.35: 3.03,66.08 3.32,66.37 v1(3.73,66.37)
Net-(Q8-G1): length 3.4
  Top w0.3: v1(5.7,62.1) 5.7,62.42 6.45,63.17 U23.13
  Bottom w0.3: 4.81,62.22 5.4,62.22 5.53,62.1 v1(5.7,62.1)
Net-(R23-Pad1): length 4.1
  Top w0.35: v1(12.87,26.12) 12.89,26.1 R28.1
  Bottom w0.35: v1(12.87,26.12) 12.2,26.12 R23.1 12.2,27.25 U13.1
Net-(U6-BOOT0): length 13.3
  Top w0.2: v2(21.75,52.89) 21.76,52.89 U6.62
  Bottom w0.2: v2(25.6,41.95) 25.59,41.96 R4.2 25.59,44.51 21.61,48.49 21.61,52.75 v2(21.75,52.89)
Net-(U6-NRST): length 29.8
  Top w0.2: U6.7 v2(18.24,52.89) ; v2(10.27,46.33) 9.95,46.65 v2(9.95,51.1)
  Top w0.3: C5.2 14.44,40.83 U5.1 13.75,40.85 v2(13.6,41)
  In1.Cu w0.2: v2(18.24,52.89) 18.24,53.03 16.95,54.33 15.69,54.33 13.82,52.45 12.4,52.45 10.6,54.25 10.2,54.25 9.8,53.85 9.8,51.25 v2(9.95,51.1) ; v2(10.27,46.33) 10.54,46.6 11.75,46.6 13,45.35 13,41.4 13.4,41 v2(13.6,41)
Net-(U6-PH0): length 5.2
  Top w0.2: Y1.3 16.72,56.76 17.5,55.99 17.5,54.73 17.79,54.44 17.82,54.44 U6.5
Net-(U6-PH1): length 3
  Top w0.2: U6.6 17.66,54.04 17.22,54.04 16.37,54.9 Y1.1
Net-(U9-CAP): length 2.4
  Top w0.25: U9.10 29.47,69.96 v1(29.48,70.4)
  Bottom w0.25: v1(29.48,70.4) 29.48,69.96 29.5,69.93 29.5,69.33 C17.2
Net-(U12-EN): length 5
  Bottom w0.3: U12.5 19.63,26.67 19.62,26.66 19.62,25.69 19.7,25.6 20.42,25.6 R20.1
  Bottom w0.8: R20.1 R19.2
Net-(U12-FB): length 2.8
  Bottom w0.3: R17.1 21.47,26.17 U12.6
  Bottom w0.8: R17.1 R18.1
Net-(U12-SW): length 1.4
  Bottom w0.3: 18.78,26.67 17.58,26.67 L5.2
Net-(U15-IN+1): length 4.5
  Top w0.35: U15.12 22.24,26.35 24,28.11 C39.2 25.4,28.25 R24.2
Net-(U15-IN+2): length 4.7
  Top w0.35: C40.2 18.83,29.47 R26.2 19.61,28.59 U15.15
Net-(U15-IN+3): length 3.2
  Top w0.35: U15.2 16.88,25.7 16.47,26.1 R28.2
Net-(U15-IN-1): length 4
  Top w0.35: 25.42,26.72 24.03,26.72 C39.1 23.58,26.7 22.58,25.7 U15.11
Net-(U15-IN-2): length 3.7
  Top w0.35: R27.1 20.38,29.38 C40.1 20.26,29.36 U15.14
Net-(U15-IN-3): length 3.5
  Top w0.35: R29.1 16.47,27.6 C41.1 16.8,27.62 U15.1
Net-(U15-PV): length 1.5
  Top w0.35: U15.10 23.22,25.05 23.28,25.1
Net-(U15-VPU): length 17.2
  Top w0.2: R30.2 24.03,24.2 v2(23.4,24.2) ; 18.05,28.15 U15.16 17.55,28.65 17.55,30.64 v2(17.95,31.04)
  In1.Cu w0.2: v2(17.95,31.04) 17.55,30.64 17.55,30.05 v2(23.4,24.2)
Net-(U16-DIO2): length 14
  Top w0.2: 11.22,78.1 11.22,78.85 10.62,79.46 U18.1 ; 11.22,78.1 11.22,77.57 11.83,76.96 15.16,76.96 v1(15.75,77.55) ; 11.22,78.1 11.22,77.86 10.92,77.56 U18.3
  Bottom w0.2: v1(15.75,77.55) 16.8,77.55 16.85,77.5
  Bottom w0.8: U16.8 16.39,76.91 v1(15.75,77.55) 16.38,78.18 U16.7 U16.8
Net-(U16-RXEN): length 4.3
  Top w0.2: U18.6 15.36,79.46 v1(15.4,79.5)
  Bottom w0.2: U16.6 16.8,79.5 v1(15.4,79.5)
Net-(U17-DIO2): length 10
  Top w0.3: U19.3 32.77,77.55 33.12,77.9 33.12,78.86 32.54,79.45 U19.1
  Top w0.35: U19.3 32.75,76.91 v2(32.75,76.73)
  Bottom w0.35: v2(32.75,76.73) 32.88,76.61 33.71,76.61 34.01,76.91 U17.8
  Bottom w0.8: U17.7 U17.8
Net-(U17-RXEN): length 2.5
  Top w0.3: U19.6 35.65,79.45 v1(35.7,79.5)
  Bottom w0.3: U17.6 36.82,79.5 v1(35.7,79.5)
Net-(U21-+IN): length 2.7
  Bottom w0.3: 0.97,65.52 0.97,62.97 0.88,62.88
Net-(U21-OUT): length 9
  Bottom w0.2: U21.4 0.78,68.45 0.31,67.97 0.31,60.59 0.47,60.43 U22.1
Net-(U22-Y1): length 4.6
  Top w0.25: U23.17 2.05,62.12 2.09,62.09 2.09,61.51 2.19,61.41 v2(2.19,61.27)
  Bottom w0.25: v2(2.19,61.27) 2.26,61.19 2.26,60.56 2.4,60.43 U22.6
Net-(U22-Y2): length 3.1
  Top w0.3: v1(3.58,62.87) 3.43,63.02 3.43,63.98 U23.16
  Bottom w0.3: v1(3.58,62.87) 3.43,62.72 3.43,62.37 3.11,62.05 3.09,62.05 2.77,61.72
Net-(U23-RXD): length 3.9
  Top w0.25: v1(3.13,53.66) 3.31,53.84 3.31,54.6 U23.3
  Bottom w0.25: R75.1 5.08,55.3 3.44,53.66 v1(3.13,53.66)
Net-(U23-TIMEPULSE): length 1.9
  Top w0.25: U23.4 4.28,54.74 4.28,52.83
Net-(U23-TXD): length 7.2
  Top w0.3: U23.2 2,54.81 v1(2,56.2)
  Bottom w0.3: R74.1 4.3,59.12 3.04,59.12 2,58.08 v1(2,56.2)

## Copper pours and planes (outline as drawn; the poured copper is in the pictures)
+3.3V on In1.Cu: 37,-0.25 3,-0.25 0,3 -0.25,97 3,100.25 37,100.25 40.25,97 40.25,3
+3.3VADC on Bottom: 0,71.5 12.2,71.5 12.19,55.3 12.19,54 0,54
GND on Top, Bottom, In2.Cu: 40.25,97 37,100.25 3,100.25 -0.25,97 0,3 3,-0.25 37,-0.25 40.25,3

## Text on the board
F.Silkscreen: FIX | 3,3v | 5v | P1 | P2 | P3 | P4 | P5 | P6
